# Allegro board R16_REF_DDR3_16X1_V1_0.brd
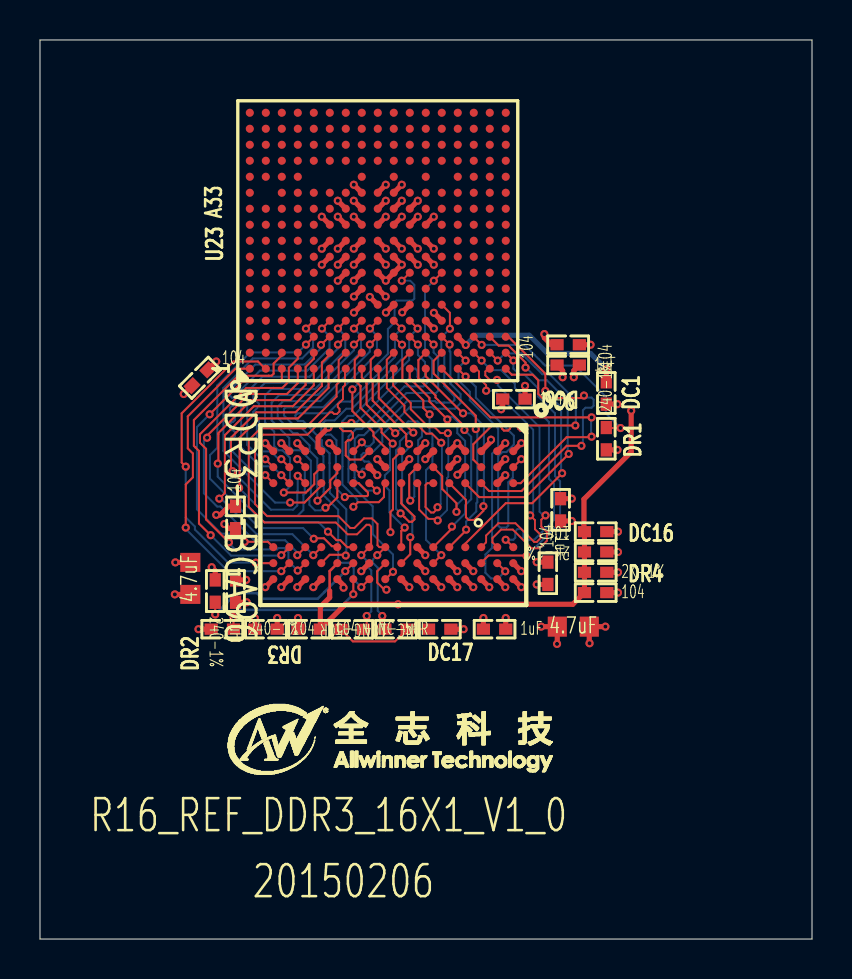
[diagram p0: board, top side]
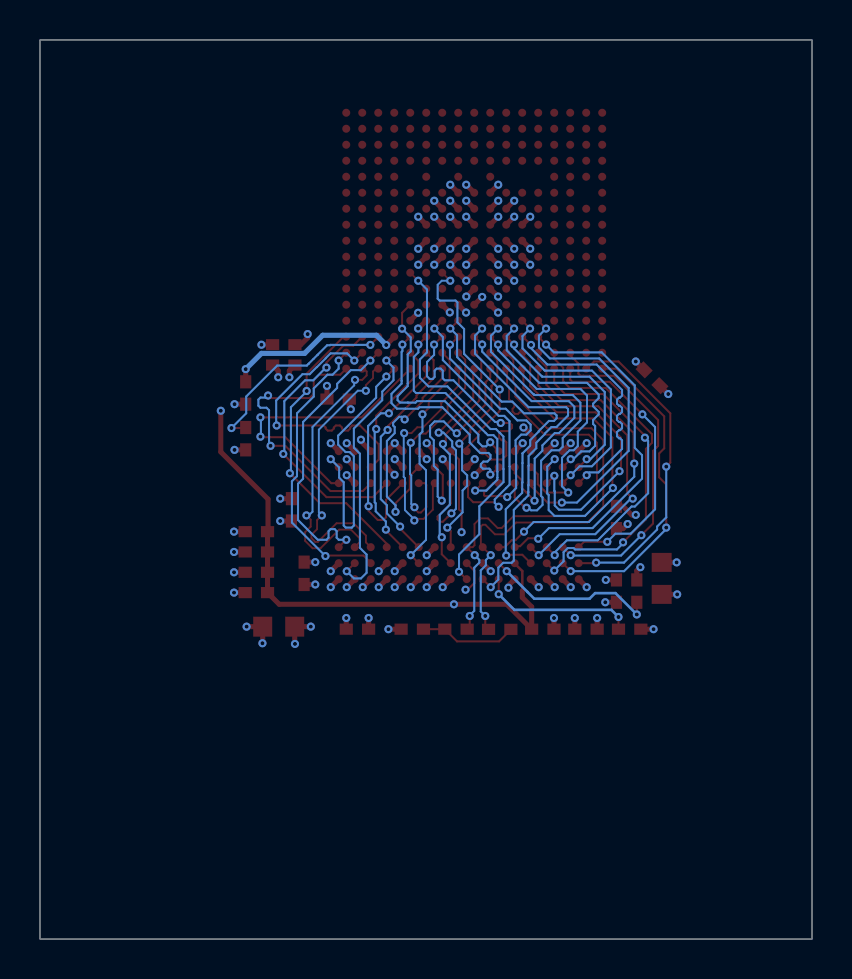
[diagram p1: board, bottom side, seen from below]

Outline 38.61 x 44.96 mm; copper layers: TOP, GND02, PWR03, BOTTOM. Coordinates in mm from the lower left corner of the outline.
Outline path: 0,44.96 0,0 38.61,0 38.61,44.96 0,44.96

## Design rules (mm)
net group CLS_DDR_CA: nets DRST DZQ
net group POWER: nets DVREF VDD-DLL
net group CLS_DQS0: nets DQS0N
net group CLS_DQS1: nets DQS1N
net group DDR_CA: nets DA0 DA1 DA2 DA3 DA4 DA5 DA6 DA7 DA8 DA9 DA10 DA11 DA12 DA13 DA14 DA15 DBA0 DBA1 DBA2 DCAS DCKE DCKE1 DCKN DCS DCS1 DODT DODT1 DRAS DWE
net group DDR_CKDQS: nets DCK DQS0 DQS1
net group DDR_DQ07: nets DQ0 DQ1 DQ2 DQ3 DQ4 DQ5 DQ6 DQ7 DQM0
net group DDR_DQ815: nets DQ8 DQ9 DQ10 DQ11 DQ12 DQ13 DQ14 DQ15 DQM1

## Placement (name value [footprint] x y rotation side)
DC1  104  [C0402]  28.32 27.3 90 top
DC2  104  [C0402]  26.42 29.72 180 top
DC3  4.7uF  [C0603]  7.52 18.03 90 top
DC4  1uF  [C0402]  26.03 21.46 270 top
DC5  1uF  [C0402]  26.42 28.7 0 top
DC6  104  [C0402]  23.7 27 0 top
DC7  104  [C0402]  8 28.07 45 top
DC8  104  [C0402]  13.46 15.49 0 top
DC9  104  [C0402]  27.79 17.32 0 top
DC10  4.7uF  [C0603]  26.67 15.62 0 top
DC11  1uF  [C0402]  22.73 15.49 0 top
DC12  1uF  [C0402]  9.78 17.4 270 top
DC13  104  [C0402]  9.78 21.08 90 top
DC14  104  [C0402]  11.3 15.49 0 top
DC15  104  [C0402]  25.4 18.29 90 top
DC16  104  [C0402]  27.79 20.37 180 top
DC17  NC-104  [C0402]  19.99 15.49 180 top
DR1  240-1%  [R0402]  28.32 25.02 90 top
DR2  240-1%  [R0402]  8.76 17.4 270 top
DR3  240-1%  [R0402]  9.12 15.49 0 top
DR4  2K-1%  [R0402]  27.79 18.34 0 top
DR5  2K-1%  [R0402]  27.79 19.35 180 top
DR6  NC-50R  [R0402]  17.81 15.49 180 top
DR7  NC-50R  [R0402]  15.62 15.49 0 top
DU1  DDR3-FBGA96  [FBGA96C80P9X13]  17.67 21.2 270 top
NOREF  -  []  6.6 20.07 0 top
NOREF#2  -  []  9.3 8.05 0 top
NOREF#3  -  []  28.83 14.86 90 top
U23  A33  [BGA282P0_80B14X14H1_30]  16.89 34.92 90 top

## Library data of the parts
DC1-DC8 DC17 = CAPACITOR_0
DC9 DC16 = CAPACITOR_0: room: RES_DVREF
DC10-DC12 = CAPACITOR_0: room: CAP
DC13-DC15 = CAP_0: room: CAP
DR1-DR3 DR6 DR7 = R
DR4 = ?_0: room: RES_DVREF
DR5 = ?_0: room: RES_DVREF; signal model: R0402
DU1 = DDR3_1: Tolerance: RichardLC
U23 = bga280_3

## Footprints (pads in the part's own frame, mm; a bottom-side part is the same pattern mirrored in y, then rotated)
BGA282P0_80B14X14H1_30
  round 0.4 smd: A1(-6.4,6.4) A2(-5.6,6.4) A3(-4.8,6.4) A4(-4,6.4) A5(-3.2,6.4) A6(-2.4,6.4) A7(-1.6,6.4) A8(-0.8,6.4) A9(0,6.4) A10(0.8,6.4) A11(1.6,6.4) A12(2.4,6.4) A13(3.2,6.4) A14(4,6.4) A15(4.8,6.4) A16(5.6,6.4) A17(6.4,6.4) B1(-6.4,5.6) B2(-5.6,5.6) B3(-4.8,5.6) B4(-4,5.6) B5(-3.2,5.6) B6(-2.4,5.6) B7(-1.6,5.6) B8(-0.8,5.6) B9(0,5.6) B10(0.8,5.6) B11(1.6,5.6) B13(3.2,5.6) B14(4,5.6) B15(4.8,5.6) B16(5.6,5.6) B17(6.4,5.6) C1(-6.4,4.8) C2(-5.6,4.8) C3(-4.8,4.8) C4(-4,4.8) C5(-3.2,4.8) C6(-2.4,4.8) C7(-1.6,4.8) C8(-0.8,4.8) C9(0,4.8) C10(0.8,4.8) C11(1.6,4.8) C12(2.4,4.8) C13(3.2,4.8) C14(4,4.8) C15(4.8,4.8) C16(5.6,4.8) C17(6.4,4.8) D1(-6.4,4) D2(-5.6,4) D3(-4.8,4) D4(-4,4) D5(-3.2,4) D6(-2.4,4) D7(-1.6,4) D8(-0.8,4) D9(0,4) D10(0.8,4) D11(1.6,4) D12(2.4,4) D13(3.2,4) D14(4,4) D15(4.8,4) D16(5.6,4) D17(6.4,4) E1(-6.4,3.2) E2(-5.6,3.2) E3(-4.8,3.2) E4(-4,3.2) E5(-3.2,3.2) E6(-2.4,3.2) E7(-1.6,3.2) E8(-0.8,3.2) E9(0,3.2) E10(0.8,3.2) E11(1.6,3.2) E12(2.4,3.2) E14(4,3.2) E15(4.8,3.2) E16(5.6,3.2) E17(6.4,3.2) F1(-6.4,2.4) F2(-5.6,2.4) F3(-4.8,2.4) F4(-4,2.4) F5(-3.2,2.4) F6(-2.4,2.4) F7(-1.6,2.4) F8(-0.8,2.4) F9(0,2.4) F10(0.8,2.4) F11(1.6,2.4) F12(2.4,2.4) F14(4,2.4) F15(4.8,2.4) F16(5.6,2.4) F17(6.4,2.4) G1(-6.4,1.6) G2(-5.6,1.6) G3(-4.8,1.6) G4(-4,1.6) G5(-3.2,1.6) G6(-2.4,1.6) G7(-1.6,1.6) G8(-0.8,1.6) G9(0,1.6) G10(0.8,1.6) G11(1.6,1.6) G12(2.4,1.6) G14(4,1.6) G15(4.8,1.6) G16(5.6,1.6) G17(6.4,1.6) H1(-6.4,0.8) H2(-5.6,0.8) H3(-4.8,0.8) H4(-4,0.8) H5(-3.2,0.8) H6(-2.4,0.8) H7(-1.6,0.8) H8(-0.8,0.8) H9(0,0.8) H10(0.8,0.8) H11(1.6,0.8) H12(2.4,0.8) H13(3.2,0.8) H14(4,0.8) H15(4.8,0.8) H16(5.6,0.8) H17(6.4,0.8) J1(-6.4,0) J2(-5.6,0) J3(-4.8,0) J4(-4,0) J5(-3.2,0) J6(-2.4,0) J7(-1.6,0) J8(-0.8,0) J9(0,0) J10(0.8,0) J11(1.6,0) J12(2.4,0) J14(4,0) J15(4.8,0) J16(5.6,0) J17(6.4,0) K1(-6.4,-0.8) K2(-5.6,-0.8) K3(-4.8,-0.8) K4(-4,-0.8) K5(-3.2,-0.8) K6(-2.4,-0.8) K7(-1.6,-0.8) K8(-0.8,-0.8) K9(0,-0.8) K10(0.8,-0.8) K11(1.6,-0.8) K12(2.4,-0.8) K13(3.2,-0.8) K14(4,-0.8) K15(4.8,-0.8) K16(5.6,-0.8) K17(6.4,-0.8) L1(-6.4,-1.6) L2(-5.6,-1.6) L3(-4.8,-1.6) L4(-4,-1.6) L5(-3.2,-1.6) L6(-2.4,-1.6) L7(-1.6,-1.6) L8(-0.8,-1.6) L9(0,-1.6) L10(0.8,-1.6) L11(1.6,-1.6) L12(2.4,-1.6) L14(4,-1.6) L15(4.8,-1.6) L16(5.6,-1.6) L17(6.4,-1.6) M1(-6.4,-2.4) M2(-5.6,-2.4) M3(-4.8,-2.4) M4(-4,-2.4) M5(-3.2,-2.4) M6(-2.4,-2.4) M7(-1.6,-2.4) M8(-0.8,-2.4) M9(0,-2.4) M10(0.8,-2.4) M11(1.6,-2.4) M12(2.4,-2.4) M13(3.2,-2.4) M14(4,-2.4) M15(4.8,-2.4) M16(5.6,-2.4) M17(6.4,-2.4) N1(-6.4,-3.2) N2(-5.6,-3.2) N3(-4.8,-3.2) N4(-4,-3.2) N5(-3.2,-3.2) N6(-2.4,-3.2) N7(-1.6,-3.2) N8(-0.8,-3.2) N9(0,-3.2) N10(0.8,-3.2) N11(1.6,-3.2) N12(2.4,-3.2) N14(4,-3.2) N15(4.8,-3.2) N16(5.6,-3.2) N17(6.4,-3.2) P1(-6.4,-4) P2(-5.6,-4) P3(-4.8,-4) P4(-4,-4) P5(-3.2,-4) P6(-2.4,-4) P7(-1.6,-4) P8(-0.8,-4) P9(0,-4) P10(0.8,-4) P11(1.6,-4) P12(2.4,-4) P13(3.2,-4) P14(4,-4) P15(4.8,-4) P16(5.6,-4) P17(6.4,-4) R1(-6.4,-4.8) R2(-5.6,-4.8) R3(-4.8,-4.8) R4(-4,-4.8) R5(-3.2,-4.8) R6(-2.4,-4.8) R7(-1.6,-4.8) R8(-0.8,-4.8) R9(0,-4.8) R10(0.8,-4.8) R11(1.6,-4.8) R12(2.4,-4.8) R13(3.2,-4.8) R14(4,-4.8) R15(4.8,-4.8) R16(5.6,-4.8) R17(6.4,-4.8) T1(-6.4,-5.6) T2(-5.6,-5.6) T3(-4.8,-5.6) T4(-4,-5.6) T5(-3.2,-5.6) T6(-2.4,-5.6) T7(-1.6,-5.6) T8(-0.8,-5.6) T9(0,-5.6) T10(0.8,-5.6) T11(1.6,-5.6) T12(2.4,-5.6) T13(3.2,-5.6) T14(4,-5.6) T15(4.8,-5.6) T16(5.6,-5.6) T17(6.4,-5.6) U1(-6.4,-6.4) U2(-5.6,-6.4) U3(-4.8,-6.4) U4(-4,-6.4) U5(-3.2,-6.4) U6(-2.4,-6.4) U7(-1.6,-6.4) U8(-0.8,-6.4) U9(0,-6.4) U10(0.8,-6.4) U11(1.6,-6.4) U12(2.4,-6.4) U13(3.2,-6.4) U14(4,-6.4) U15(4.8,-6.4) U16(5.6,-6.4) U17(6.4,-6.4)
C0402
  rect 0.66x0.559 smd: 1(-0.559,0) 2(0.559,0)
C0603
  rect 0.95x1 smd: 1(-0.8,0) 2(0.8,0)
FBGA96C80P9X13
  round 0.4 smd: A1(-3.2,6) A2(-2.4,6) A3(-1.6,6) A7(1.6,6) A8(2.4,6) A9(3.2,6) B1(-3.2,5.2) B2(-2.4,5.2) B3(-1.6,5.2) B7(1.6,5.2) B8(2.4,5.2) B9(3.2,5.2) C1(-3.2,4.4) C2(-2.4,4.4) C3(-1.6,4.4) C7(1.6,4.4) C8(2.4,4.4) C9(3.2,4.4) D1(-3.2,3.6) D2(-2.4,3.6) D3(-1.6,3.6) D7(1.6,3.6) D8(2.4,3.6) D9(3.2,3.6) E1(-3.2,2.8) E2(-2.4,2.8) E3(-1.6,2.8) E7(1.6,2.8) E8(2.4,2.8) E9(3.2,2.8) F1(-3.2,2) F2(-2.4,2) F3(-1.6,2) F7(1.6,2) F8(2.4,2) F9(3.2,2) G1(-3.2,1.2) G2(-2.4,1.2) G3(-1.6,1.2) G7(1.6,1.2) G8(2.4,1.2) G9(3.2,1.2) H1(-3.2,0.4) H2(-2.4,0.4) H3(-1.6,0.4) H7(1.6,0.4) H8(2.4,0.4) H9(3.2,0.4) J1(-3.2,-0.4) J2(-2.4,-0.4) J3(-1.6,-0.4) J7(1.6,-0.4) J8(2.4,-0.4) J9(3.2,-0.4) K1(-3.2,-1.2) K2(-2.4,-1.2) K3(-1.6,-1.2) K7(1.6,-1.2) K8(2.4,-1.2) K9(3.2,-1.2) L1(-3.2,-2) L2(-2.4,-2) L3(-1.6,-2) L7(1.6,-2) L8(2.4,-2) L9(3.2,-2) M1(-3.2,-2.8) M2(-2.4,-2.8) M3(-1.6,-2.8) M7(1.6,-2.8) M8(2.4,-2.8) M9(3.2,-2.8) N1(-3.2,-3.6) N2(-2.4,-3.6) N3(-1.6,-3.6) N7(1.6,-3.6) N8(2.4,-3.6) N9(3.2,-3.6) P1(-3.2,-4.4) P2(-2.4,-4.4) P3(-1.6,-4.4) P7(1.6,-4.4) P8(2.4,-4.4) P9(3.2,-4.4) R1(-3.2,-5.2) R2(-2.4,-5.2) R3(-1.6,-5.2) R7(1.6,-5.2) R8(2.4,-5.2) R9(3.2,-5.2) T1(-3.2,-6) T2(-2.4,-6) T3(-1.6,-6) T7(1.6,-6) T8(2.4,-6) T9(3.2,-6)
R0402
  rect 0.66x0.559 smd: 1(-0.559,0) 2(0.559,0)

## Nets
GND: DC1.1 DC2.1 DC3.1 DC4.1 DC5.1 DC6.1 DC7.1 DC8.1 DC10.1 DC11.1 DC12.1 DC13.2 DC14.2 DC15.2 DC16.1 DC17.1 DR1.1 DR2.1 DR3.1 DR5.1 DU1.A9(VSS#9) DU1.B1(VSSQ#1) DU1.B3(VSS#6) DU1.B9(VSSQ#7) DU1.D1(VSSQ#2) DU1.D8(VSSQ#5) DU1.E1(VSS#1) DU1.E2(VSSQ#4) DU1.E8(VSSQ#6) DU1.F9(VSSQ#8) DU1.G1(VSSQ#3) DU1.G8(VSS#7) DU1.G9(VSSQ#9) DU1.J2(VSS#5) DU1.J8(VSS#8) DU1.M1(VSS#2) DU1.M9(VSS#10) DU1.P1(VSS#3) DU1.P9(VSS#11) DU1.T1(VSS#4) DU1.T9(VSS#12) U23.F8(GND-34) U23.F9(GND-33) U23.F10(GND-32) U23.G7(GND-31) U23.G8(GND-30) U23.G9(GND-29) U23.G10(GND-28) U23.G11(GND-27) U23.H7(GND-26) U23.H8(GND-25) U23.H9(GND-24) U23.H10(GND-23) U23.H11(GND-22) U23.H12(GND-21) U23.J7(GND-20) U23.J8(GND-19) U23.J9(GND-18) U23.J10(GND-17) U23.J11(GND-16) U23.J12(GND-15) U23.K7(GND-14) U23.K8(GND-13) U23.K9(GND-12) U23.K10(GND-11) U23.K11(GND-10) U23.K12(GND-9) U23.L8(GND-7) U23.L9(GND-6) U23.L10(GND-5) U23.L11(GND-4) U23.M8(VCC-EFUSE) U23.M9(GND-2) U23.M10(GND-1) U23.N4(GND-8)
VCC-DRAM: DC3.2 DC4.2 DC5.2 DC6.2 DC7.2 DC9.2 DC10.2 DC11.2 DC12.2 DC13.1 DC14.1 DC15.1 DR4.2 DU1.A1(VDDQ#1) DU1.A8(VDDQ#6) DU1.B2(VDD#3) DU1.C1(VDDQ#2) DU1.C9(VDDQ#9) DU1.D2(VDDQ#4) DU1.D9(VDD#7) DU1.E9(VDDQ#8) DU1.F1(VDDQ#3) DU1.G7(VDD#5) DU1.H2(VDDQ#5) DU1.H9(VDDQ#7) DU1.K2(VDD#4) DU1.K8(VDD#6) DU1.N1(VDD#1) DU1.N9(VDD#8) DU1.R1(VDD#2) DU1.R9(VDD#9) U23.H5(VCC-DRAM-6) U23.H6(VCC-DRAM-5) U23.J5(VCC-DRAM-4) U23.J6(VCC-DRAM-3) U23.K5(VCC-DRAM-2) U23.L5(VCC-DRAM-1)
VDD-DLL: DC1.2 U23.P3(VDD-DLL)
DA0: DU1.N3(A0) U23.E4(DA0)
DA1: DU1.P7(A1) U23.D1(DA1)
DA2: DU1.P3(A2) U23.F2(DA2)
DA3: DU1.N2(A3) U23.H3(DA3)
DA4: DU1.P8(A4) U23.D2(DA4)
DA5: DU1.P2(A5) U23.F1(DA5)
DA6: DU1.R8(A6) U23.A1(DA6)
DA7: DU1.R2(A7) U23.G4(DA7)
DA8: DU1.T8(A8) U23.B1(DA8)
DA9: DU1.R3(A9) U23.F4(DA9)
DA10: DU1.L7(A10) U23.E2(DA10)
DA11: DU1.R7(A11) U23.C2(DA11)
DA12: DU1.N7(A12) U23.E1(DA12)
DA13: DU1.T3(A13) U23.F3(DA13)
DA14: DU1.T7(A14) U23.C1(DA14)
DA15: DU1.M7(A15) U23.E3(DA15)
DBA0: DU1.M2(BA0) U23.J3(DBA0)
DBA1: DU1.N8(BA1) U23.K4(DBA1)
DBA2: DU1.M3(BA2) U23.H4(DBA2)
DCAS: DU1.K3(CAS#) U23.M3(DCAS)
DCK: DR6.2 DU1.J7(CK) U23.G1(DCK)
DCKE: DU1.K9(CKE) U23.J4(DCKE)
DCKE1: DU1.J9(CKE1) U23.N7(DCKE1)
DCKN: DR7.2 DU1.K7(CK#) U23.G2(DCK#)
DCS: DU1.L2(CS#) U23.N3(DCS)
DCS1: DU1.L1(CS1#) U23.N5(DCS1)
DODT: DU1.K1(ODT) U23.L3(DODT)
DODT1: DU1.J1(ODT1) U23.L7(DODT1)
DQ0: DU1.E3(DQL0) U23.M1(DQ0)
DQ1: DU1.F7(DQL1) U23.M2(DQ1)
DQ2: DU1.F2(DQL2) U23.L1(DQ2)
DQ3: DU1.F8(DQL3) U23.L2(DQ3)
DQ4: DU1.H3(DQL4) U23.J1(DQ4)
DQ5: DU1.H8(DQL5) U23.J2(DQ5)
DQ6: DU1.G2(DQL6) U23.H1(DQ6)
DQ7: DU1.H7(DQL7) U23.H2(DQ7)
DQ8: DU1.D7(DQU0) U23.U3(DQ8)
DQ9: DU1.C3(DQU1) U23.U1(DQ9)
DQ10: DU1.C8(DQU2) U23.U2(DQ10)
DQ11: DU1.C2(DQU3) U23.T2(DQ11)
DQ12: DU1.A7(DQU4) U23.R2(DQ12)
DQ13: DU1.A2(DQU5) U23.P1(DQ13)
DQ14: DU1.B8(DQU6) U23.P2(DQ14)
DQ15: DU1.A3(DQU7) U23.N1(DQ15)
DQM0: DU1.E7(DML) U23.N2(DQM0)
DQM1: DU1.D3(DMU) U23.T3(DQM1)
DQS0: DU1.F3(DQSL) U23.K2(DQS0)
DQS0N: DU1.G3(DQSL#) U23.K1(DQS0#)
DQS1: DU1.C7(DQSU) U23.R1(DQS1)
DQS1N: DU1.B7(DQSU#) U23.T1(DQS1#)
DRAS: DU1.J3(RAS#) U23.L4(DRAS)
DRST: DU1.T2(RESET) U23.G3(DRST)
DVREF: DC2.2 DC8.2 DC9.1 DC16.2 DR4.1 DR5.2 DU1.H1(VREFDQ) DU1.M8(VREFCA) U23.M4(DVREF)
DWE: DU1.L3(WE) U23.K3(DWE)
DZQ: DR1.2 U23.R3(DZQ)
N17523254: DR2.2 DU1.L8(ZQ)
N18069975: DR3.2 DU1.L9(ZQ1)
N18151313: DC17.2 DR6.1 DR7.1

Pads without a net: U23 A2 A3 A4 A5 A6 A7 A8 A9 A10 A11 A12 A13 A14 A15 A16 A17 B2 B3 B4 B5 B6 B7 B8 B9 B10 B11 B13 B14 B15 B16 B17 C3 C4 C5 C6 C7 C8 C9 C10 C11 C12 C13 C14 C15 C16 C17 D3 D4 D5 D6 D7 D8 D9 D10 D11 D12 D13 D14 D15 D16 D17 E5 E6 E7 E8 E9 E10 E11 E12 E14 E15 E16 E17 F5 F6 F7 F11 F12 F14 F15 F16 F17 G5 G6 G12 G14 G15 G16 G17 H13 H14 H15 H16 H17 J14 J15 J16 J17 K6 K13 K14 K15 K16 K17 L6 L12 L14 L15 L16 L17 M5 M6 M7 M11 M12 M13 M14 M15 M16 M17 N6 N8 N9 N10 N11 N12 N14 N15 N16 N17 P4 P5 P6 P7 P8 P9 P10 P11 P12 P13 P14 P15 P16 P17 R4 R5 R6 R7 R8 R9 R10 R11 R12 R13 R14 R15 R16 R17 T4 T5 T6 T7 T8 T9 T10 T11 T12 T13 T14 T15 T16 T17 U4 U5 U6 U7 U8 U9 U10 U11 U12 U13 U14 U15 U16 U17

## Via types
v1: diameter 0.406, hole 0.203, TOP to BOTTOM, 231 vias

## Routing (per net, layer and track width the routed paths; a pad name or vN(x,y) marks a point on that pad's centre or on a via; arc(x,y) is an arc through that point)
GND: length 46.5
  TOP w0.102: v1(17.33,17.47) 17.22,17.47 16.86,17.83 16.86,18.39 DU1.J8
  TOP w0.254: DU1.P1 v1(12.87,24.8) ; v1(8.81,21.21) 9.02,21.21 9.45,21.64 DC13.2 ; DU1.E1 v1(20.87,24.8) DU1.D1 ; DU1.G1 v1(19.27,24.8) ; DC11.1 v1(22.17,16.05) ; U23.F10 v1(14.09,36.12) ; DU1.M9 15.18,17.68 v1(15.18,17.57) ; DU1.G9 v1(19.27,17.6) ; U23.J9 v1(17.29,34.52) ; v1(25.86,14.76) 25.87,14.77 DC10.1 v1(25.06,15.62) ; U23.J7 v1(17.29,32.92) U23.K7 v1(18.09,33.72) U23.K8 ; U23.M8 v1(19.69,33.72) ; DU1.G8 v1(19.27,18.4) ; v1(8.59,18.59) 8.76,18.41 DR2.1 ; U23.G9 v1(14.89,34.52) ; DC15.2 v1(24.84,18.85) ; DC1.1 v1(28.88,26.75) ; U23.J8 v1(17.29,33.72) ; DU1.B3 v1(23.27,23.2) ; U23.H8 v1(15.69,33.72) ; DC14.2 v1(11.86,16.05) ; U23.L10 v1(18.89,36.12) ; DU1.D8 v1(21.67,18.4) ; DC16.1 v1(28.91,20.37) ; DR3.1 v1(7.92,15.49) ; U23.J12 v1(17.29,37.72) ; U23.K10 v1(18.09,36.12) ; DC7.1 v1(7.19,27.25) ; U23.L9 v1(18.89,34.52) ; DR5.1 v1(28.91,19.35) ; U23.K11 v1(18.09,36.92) ; DR1.1 v1(28.88,24.46) ; DU1.B9 v1(23.27,17.6) ; U23.N4 20.09,30.92 v1(19.7,31.32) ; DU1.T9 v1(11.27,17.6) ; DU1.E8 v1(20.87,18.4) ; DU1.A9 v1(24.07,17.6) ; U23.G10 v1(14.89,36.12) ; U23.L11 v1(18.89,36.92) ; DU1.B1 v1(23.27,24.8) ; U23.M10 v1(19.69,36.12) ; U23.K9 v1(18.09,34.52) ; DC5.1 26.14,28.42 v1(26.14,28.09) ; DU1.T1 v1(11.27,24.8) ; U23.G8 v1(14.89,33.72) ; DC17.1 v1(21.18,15.49) ; U23.F9 v1(14.09,34.52) ; U23.K12 v1(18.09,37.72) ; U23.J11 v1(17.29,36.92) ; DU1.J2 v1(16.87,24) ; U23.H9 v1(15.69,34.52) ; DU1.E2 v1(20.87,24) ; U23.H7 v1(15.69,32.92) ; U23.H11 v1(15.69,36.92) ; DC4.1 v1(26.59,22.02) ; DC2.1 v1(27.53,29.72) ; DC12.1 v1(10.31,17.96) ; DU1.P9 v1(12.87,17.6) ; DC8.1 v1(12.9,16.05) ; DC6.1 23.14,26.57 v1(23.06,26.49) ; U23.G7 v1(14.89,32.92) ; U23.M9 v1(19.69,34.52) ; U23.F8 v1(14.09,33.72) ; U23.J10 v1(17.29,36.12) ; U23.G11 v1(14.89,36.92) ; DC3.1 v1(6.74,17.23) ; U23.L8 v1(18.89,33.72) ; U23.H10 v1(15.69,36.12) ; DU1.F9 v1(20.07,17.6) ; U23.H12 v1(15.69,37.72) ; DU1.M1 v1(14.47,24.8)
  GND02 w0.102: 23.88,20.5 23.82,20.5 23.78,20.54
VCC-DRAM: length 24
  TOP w0.254: v1(18.11,31.34) 18.49,31.71 U23.L5 ; DU1.D9 v1(21.67,17.6) ; v1(27.48,14.79) 27.48,14.81 27.47,14.82 DC10.2 v1(28.28,15.62) ; DR4.2 v1(28.91,18.34) ; DC5.2 26.7,28.42 v1(26.7,28.09) ; DC12.2 v1(10.34,16.84) ; DC13.1 9.45,20.52 v1(9.22,20.75) ; DU1.B2 v1(23.27,24) ; v1(16.49,32.11) 16.5,32.11 16.88,31.72 U23.J5 ; DC15.1 v1(24.84,17.73) ; DC3.2 v1(6.77,18.83) ; DU1.R9 v1(12.07,17.6) ; v1(20.88,23.22) 20.89,23.22 DU1.D2 ; DU1.N9 v1(13.67,17.6) ; v1(15.7,32.13) U23.H6 ; DU1.F1 v1(19.27,24) ; U23.J6 17.28,32.13 v1(17.29,32.13) ; DC6.2 v1(24.26,27.66) ; DU1.H9 v1(18.47,17.6) ; v1(14.43,25.58) 14.41,25.58 13.91,25.08 13.91,24.56 14.07,24.41 DU1.N1 ; DU1.C1 22.56,24.88 v1(22.56,24.97) ; DU1.H2 v1(18.47,24) ; DC9.2 v1(28.91,17.32) ; DU1.A8 v1(24.07,18.4) ; DU1.E9 v1(20.87,17.6) ; U23.H5 v1(15.7,31.33) ; DU1.C9 v1(22.47,17.6) ; DC14.1 v1(10.74,16.05) ; DU1.G7 v1(19.27,19.2) ; DU1.K8 v1(16.07,18.4) ; DC11.2 v1(23.29,16.05) ; U23.K5 v1(17.3,31.33) ; DC7.2 v1(8.81,28.88) ; DU1.A1 v1(24.07,24.8) ; DU1.K2 v1(16.87,23.2) ; DU1.R1 v1(12.07,24.8) ; DC4.2 v1(26.59,20.9)
  PWR03 w0.254: v1(18.47,17.6) 18.47,17.6 18.82,17.25
VDD-DLL: length 9.7
  TOP w0.102: v1(21.29,29.71) 21.29,29.72 U23.P3
  TOP w0.254: v1(28.32,28.5) DC1.2 ; v1(21.29,29.71) 20.89,30.11 U23.P3
  BOTTOM w0.254: v1(21.29,29.71) 21.78,30.19 24.47,30.19 25.37,29.29 27.53,29.29 v1(28.32,28.5)
DA0: length 16.6
  TOP w0.102: DU1.N3 14.07,22.67 13.23,21.83 v1(12.51,21.83) ; U23.E4 v1(13.3,30.53)
  BOTTOM w0.102: v1(13.3,30.53) 13.66,30.17 13.66,29.58 13.11,29.03 10.64,29.03 9.17,27.56 9.17,24.41 11.75,21.83 v1(12.51,21.83)
DA1: length 15.9
  TOP w0.102: v1(8.36,25.07) 8.36,25.17 10.44,27.25 11.82,27.25 11.82,27.25 12.34,27.25 12.89,27.8 U23.D1 ; DU1.P7 v1(12.87,19.2)
  BOTTOM w0.102: v1(12.87,19.2) 12.87,19.33 12.26,19.94 10.71,19.94 9.02,21.63 8.86,21.63 8.2,22.29 8.2,24.91 v1(8.36,25.07)
DA2: length 15.3
  TOP w0.102: v1(9.63,23.39) 9.55,23.47 9.55,25.07 10.82,26.34 12.2,26.34 12.2,26.34 12.78,26.34 14.1,27.66 14.1,28.83 14.49,29.22 U23.F2 ; v1(12.89,23.16) 13.25,22.8 DU1.P3
  BOTTOM w0.102: v1(9.63,23.39) 11.55,21.47 12.66,21.47 12.87,21.68 12.87,22.39 12.89,22.41 v1(12.89,23.16)
DA3: length 14.5
  TOP w0.102: U23.H3 v1(15.7,29.73) ; DU1.N2 13.72,23.24 13.72,22.74 13.41,22.44 13.3,22.33 v1(12.19,22.33)
  BOTTOM w0.102: v1(12.19,22.33) 12.5,22.64 12.5,24.06 12.13,24.44 11.92,24.44 11.71,24.65 11.71,25.37 11.25,25.83 11.25,27.18 11.58,27.51 13.77,27.51 15.7,29.44 v1(15.7,29.73)
DA4: length 18.1
  TOP w0.102: v1(12.89,18.43) 12.9,18.44 12.91,18.44 DU1.P8 ; v1(9.45,19.84) 8.31,20.98 8.31,24.51 8,24.82 8,25.24 10.31,27.56 11.69,27.56 11.69,27.56 12.12,27.56 12.44,27.89 12.44,28.57 12.89,29.02 U23.D2
  BOTTOM w0.102: v1(9.45,19.84) 9.45,19.79 9.75,19.48 11.85,19.48 11.92,19.55 12.22,19.55 12.42,19.34 12.42,18.89 v1(12.89,18.43)
DA5: length 16.2
  TOP w0.102: U23.F1 14.43,28.46 14.43,27.56 12.9,26.03 10.95,26.03 9.98,25.07 9.98,22.58 v1(9.96,22.56) ; DU1.P2 v1(12.87,24)
  BOTTOM w0.102: v1(12.87,24) 13.24,23.62 13.24,22.28 13.17,22.21 13.17,21.45 12.88,21.16 11.35,21.16 v1(9.96,22.56)
DA6: length 16.2
  TOP w0.102: DU1.R8 v1(12.07,18.4) ; U23.A1 9.77,28.52 7.39,26.14 7.39,24.54 7.65,24.28 7.65,23.09 7.29,22.73 v1(7.29,20.57)
  BOTTOM w0.102: v1(7.29,20.57) 7.29,20.5 9.4,18.4 v1(12.07,18.4)
DA7: length 12.3
  TOP w0.102: U23.G4 v1(14.9,30.53) ; DU1.R2 v1(12.07,24)
  BOTTOM w0.102: v1(14.9,30.53) 15.27,30.16 15.27,29.44 13.64,27.81 11.25,27.81 10.67,27.23 10.67,27.05 10.95,26.77 10.95,26.64 10.67,26.36 10.67,26.24 10.95,25.96 10.95,25.75 10.85,25.65 10.85,24.66 11.13,24.38 11.55,24.38 11.93,24 v1(12.07,24)
DA8: length 16.2
  TOP w0.102: v1(7.29,23.62) 7.09,23.83 7.09,26.29 9.68,28.88 10.9,28.88 11.29,28.49 U23.B1 ; DU1.T8 10.82,18.8 v1(10.8,18.82)
  BOTTOM w0.102: v1(10.8,18.82) 9.4,18.82 7.75,20.48 7.75,20.62 7.29,21.08 v1(7.29,23.62)
DA9: length 13
  TOP w0.102: U23.F4 v1(14.1,30.53) ; DU1.R3 v1(12.07,23.2)
  BOTTOM w0.102: v1(12.07,23.2) 11.62,23.64 11.01,23.64 10.06,24.59 10.06,27.48 11,28.42 13.36,28.42 13.39,28.45 14.48,29.54 14.48,30.15 v1(14.1,30.53)
DA10: length 17.6
  TOP w0.102: v1(8.89,23.77) 8.92,23.81 8.92,25.3 10.57,26.95 11.94,26.95 12.52,26.95 13.28,27.71 13.28,28.61 13.69,29.02 U23.E2 ; v1(14.4,20.37) 14.82,19.95 15.01,19.95 15.37,19.6 DU1.L7
  BOTTOM w0.102: v1(8.89,23.77) 8.89,23.12 11.16,20.85 13.92,20.85 v1(14.4,20.37)
DA11: length 16.8
  TOP w0.102: v1(8.53,20.19) 7.95,20.78 7.95,24.41 7.7,24.66 7.7,25.95 9.91,28.17 11.44,28.17 11.44,28.17 11.58,28.17 11.68,28.27 11.68,28.78 12.09,29.19 U23.C2 ; DU1.R7 v1(12.07,19.2)
  BOTTOM w0.102: v1(8.53,20.19) 9.55,19.18 11.98,19.18 12,19.2 v1(12.07,19.2)
DA12: length 16
  TOP w0.102: U23.E1 13.69,27.69 12.65,26.64 12.07,26.64 12.07,26.64 10.69,26.64 9.25,25.2 9.25,22.3 v1(8.97,22.02) ; DU1.N7 v1(13.67,19.2)
  BOTTOM w0.102: v1(8.97,22.02) 9.06,22.02 10.84,20.24 12.62,20.24 v1(13.67,19.2)
DA13: length 12.8
  TOP w0.102: U23.F3 14.46,30.12 v1(14.05,29.71) ; DU1.T3 v1(11.27,23.2)
  BOTTOM w0.102: v1(11.27,23.2) 11.13,23.34 10.68,23.34 9.5,24.51 9.5,24.94 9.6,25.04 9.65,25.04 9.75,25.14 9.75,25.35 9.65,25.45 9.6,25.45 9.5,25.55 9.5,25.75 9.6,25.85 9.65,25.85 9.75,25.96 9.75,26.16 9.65,26.26 9.6,26.26 9.5,26.36 9.5,26.56 9.6,26.67 9.65,26.67 9.75,26.77 9.75,26.97 9.65,27.07 9.6,27.07 9.5,27.17 9.5,27.46 10.77,28.73 13.23,28.73 13.26,28.75 14.05,29.54 v1(14.05,29.71)
DA14: length 14.5
  TOP w0.102: U23.C1 12.09,27.97 11.99,27.86 11.57,27.86 11.56,27.86 10.11,27.86 v1(8.48,26.24) ; DU1.T7 11.4,19.86 v1(10.24,19.86)
  BOTTOM w0.102: v1(10.24,19.86) 9.83,20.27 9.07,20.27 7.85,21.49 7.85,25.6 v1(8.48,26.24)
DA15: length 18.5
  TOP w0.102: v1(13.69,20.02) 13.72,20.04 14.2,20.04 14.6,19.64 14.82,19.64 DU1.M7 ; U23.E3 v1(13.3,29.73)
  BOTTOM w0.102: v1(13.3,29.73) 12.91,29.34 10.52,29.34 8.86,27.69 8.86,24.56 8.5,24.2 8.5,23.02 10.97,20.55 13.16,20.55 v1(13.69,20.02)
DBA0: length 14.4
  TOP w0.102: DU1.M2 14.87,23.29 14.52,22.94 14.52,22.56 14.3,22.35 14.3,22.34 v1(13.88,21.92) ; U23.J3 16.88,30.12 v1(16.5,29.73)
  BOTTOM w0.102: v1(16.5,29.73) 16.5,29.37 14.02,26.9 12.17,26.9 11.89,26.62 11.89,26.06 12.65,25.3 12.87,25.3 13.48,24.68 13.48,24.42 13.87,24.03 13.87,21.93 v1(13.88,21.92)
DBA1: length 17.9
  TOP w0.102: v1(15.29,19.18) 15.25,19.21 14.49,19.21 DU1.N8 ; v1(18.09,30.53) U23.K4
  BOTTOM w0.102: v1(15.29,19.18) 15.32,19.2 15.32,21.49 14.49,22.31 14.49,22.49 14.49,22.82 14.48,22.83 14.48,23.8 14.48,23.8 14.48,24.28 14.09,24.67 14.09,24.95 13.67,25.38 13.67,25.4 13.16,25.91 12.9,25.91 12.77,26.04 12.77,26.18 12.88,26.29 14.4,26.29 14.99,26.87 15.52,26.87 17.75,29.1 17.75,30.19 v1(18.09,30.53)
DBA2: length 16.1
  TOP w0.102: v1(14.28,21.57) 14.33,21.62 14.4,21.62 14.55,21.77 14.55,21.77 14.87,22.08 DU1.M3 ; U23.H4 v1(15.7,30.53)
  BOTTOM w0.102: v1(14.28,21.57) 14.18,21.57 14.05,21.44 13.75,21.44 13.47,21.71 13.47,22.08 13.55,22.15 13.55,23.92 13.03,24.44 12.64,24.44 12.47,24.62 12.47,25.05 11.58,25.94 11.58,26.82 11.96,27.2 13.87,27.2 13.89,27.23 13.92,27.23 16.06,29.37 16.06,30.17 v1(15.7,30.53)
DCAS: length 12
  TOP w0.102: v1(16.85,22.42) 16.84,22.42 DU1.K3 ; U23.M3 v1(19.69,29.73)
  BOTTOM w0.102: v1(16.85,22.42) 16.29,22.42 15.74,22.97 15.74,23.07 15.73,23.08 15.73,23.37 15.74,23.38 15.74,25 15.93,25.2 16.21,25.2 16.31,25.3 18.33,27.3 19.81,27.3 19.91,27.41 19.91,29.11 19.69,29.34 v1(19.69,29.73)
DCK: length 23.4
  TOP w0.094: v1(16.87,19.2) DU1.J7 16.97,19.6 16.88,19.69 16.88,20.75 16.6,21.03 16.2,21.03 15.72,20.56 15.52,20.56 14.93,21.15 11.36,21.15 10.76,21.75 10.76,24.82 11.16,25.22 13.38,25.22 14.49,26.34 14.63,26.34 14.7,26.26 14.86,26.26 14.98,26.38 14.98,26.51 14.89,26.6 14.89,26.74 15.15,27 15.15,27.6 15.25,27.7 15.25,28.48 U23.G1
  TOP w0.102: DR6.2 17.12,15.62 v1(17.12,16.15)
  BOTTOM w0.102: v1(17.12,16.15) 17.12,16.18 16.89,16.41 16.89,18.57 16.64,18.82 16.64,18.96 v1(16.87,19.2)
DCKE: length 19.2
  TOP w0.102: U23.J4 v1(16.5,30.53) ; DU1.K9 v1(16.07,17.6)
  BOTTOM w0.102: v1(16.07,17.6) 15.69,17.98 15.69,18.57 15.44,18.81 15.02,18.81 14.91,18.92 14.91,21.46 14.37,22.01 14.19,22.18 14.19,22.37 14.19,22.69 14.18,22.7 14.18,23.67 14.17,23.67 14.17,24.16 13.79,24.54 13.79,24.82 13.36,25.25 13.36,25.27 13.03,25.6 12.78,25.6 12.2,26.18 12.2,26.5 12.29,26.59 14.17,26.59 16.85,29.27 16.85,30.18 v1(16.5,30.53)
DCKE1: length 19.4
  TOP w0.094: U23.N7 v1(19.69,32.92)
  TOP w0.102: DU1.J9 17.28,18 v1(17.65,18.36)
  BOTTOM w0.102: v1(19.69,32.92) 19.25,32.48 19.25,29.34 19.61,28.98 19.61,28.07 19.18,27.64 18.23,27.64 16.08,25.5 15.8,25.5 15.61,25.31 15.43,25.13 15.43,23.51 15.43,23.5 15.43,22.85 16.64,21.64 16.64,20.24 17.65,19.23 v1(17.65,18.36)
DCKN: length 23.6
  TOP w0.094: U23.G2 14.94,28.96 14.94,27.83 14.83,27.73 14.83,27.13 13.25,25.54 11.03,25.54 10.44,24.95 10.44,21.62 11.23,20.83 14.8,20.83 15.39,20.24 15.86,20.24 16.33,20.72 16.47,20.72 16.56,20.62 16.56,19.69 DU1.K7 v1(16.07,19.2)
  TOP w0.102: DR7.2 16.34,15.65 v1(16.34,16.15)
  BOTTOM w0.102: v1(16.07,19.2) 16.31,18.95 16.31,18.69 16.57,18.43 16.57,16.38 v1(16.34,16.15)
DCS: length 12.3
  TOP w0.102: v1(16.09,23.23) 16.04,23.23 DU1.L2 ; U23.N3 v1(20.49,29.73)
  BOTTOM w0.102: v1(20.49,29.73) 20.49,29.4 20.52,29.36 20.52,27.91 20.52,27.77 21.03,27.26 21.03,26.8 20.76,26.52 20.33,26.52 20.33,26.52 19.7,26.52 19.63,26.59 18.49,26.59 17.12,25.22 17.12,24.83 16.6,24.31 16.18,24.31 16.08,24.21 16.08,24.03 16.23,23.88 16.43,23.88 16.56,23.75 16.56,23.62 16.46,23.52 16.14,23.52 16.09,23.47 v1(16.09,23.23)
DCS1: length 12
  TOP w0.102: v1(20.5,30.52) 20.5,31.31 U23.N5 ; DU1.L1 16.08,24.81 16.08,24.83 v1(16.09,24.84)
  BOTTOM w0.102: v1(16.09,24.84) 16.3,24.64 16.48,24.64 16.69,24.84 16.69,25.22 18.36,26.9 19.75,26.9 19.83,26.82 20.2,26.82 20.21,26.83 20.6,26.83 20.73,26.95 20.73,27.14 20.22,27.65 20.22,27.79 20.22,29.23 20.07,29.39 20.07,30.09 v1(20.5,30.52)
DODT: length 12.1
  TOP w0.102: U23.L3 18.51,30.12 v1(18.9,29.73) ; v1(15.57,25.81) 15.1,25.81 15,25.7 15,25.56 15.16,25.4 15.54,25.4 15.65,25.3 15.65,25.07 15.52,24.94 15.39,24.94 15.29,24.84 15.29,24.18 15.49,23.98 16.05,23.98 DU1.K1
  BOTTOM w0.102: v1(15.57,25.81) 15.62,25.86 15.85,25.86 17.93,27.94 18.36,27.94 18.47,28.04 18.47,28.42 18.57,28.52 18.77,28.52 18.87,28.42 18.87,28.11 18.97,28.01 19.12,28.01 19.25,28.14 19.25,28.85 18.9,29.21 v1(18.9,29.73)
DODT1: length 12
  TOP w0.094: U23.L7 v1(18.09,32.92)
  TOP w0.102: DU1.J1 17.27,24.57 16.68,25.16 16.68,25.34 15.62,26.4 v1(15.62,27.48)
  BOTTOM w0.094: 18.72,32.72 18.52,32.92 v1(18.09,32.92)
  BOTTOM w0.102: 18.72,32.72 18.72,32.02 18.63,31.93 17.83,31.93 17.73,31.83 17.73,30.84 17.4,30.51 17.4,29.26 v1(15.62,27.48)
DQ0: length 11.7
  TOP w0.102: DU1.E3 21.3,21.96 21.3,21.09 21.44,20.95 21.72,20.95 22.17,21.41 v1(22.17,21.64) ; v1(21.16,26.29) 21.15,26.29 19.29,28.14 U23.M1
  BOTTOM w0.102: v1(21.16,26.29) 21.56,26.29 22.2,25.65 22.2,21.67 v1(22.17,21.64)
DQ1: length 11.8
  TOP w0.102: v1(20.6,20.62) 20.6,20.53 DU1.F7 ; v1(21.22,25.46) 21.22,25.63 19.78,27.08 19.78,27.18 18.92,28.04 18.92,28.95 U23.M2
  BOTTOM w0.102: v1(20.6,20.62) 21.26,21.29 21.26,21.69 21.56,22 21.56,25.12 v1(21.22,25.46)
DQ2: length 11.6
  TOP w0.102: U23.L1 18.49,28.04 19.47,27.06 19.47,26.88 v1(20.37,25.98) ; v1(20.83,21.36) 20.83,21.79 20.11,22.51 20.11,23.15 DU1.F2
  BOTTOM w0.102: v1(20.83,21.36) 20.83,21.69 21.26,22.12 21.26,24.91 20.87,25.3 20.87,25.6 20.95,25.68 20.95,25.81 20.65,26.12 20.5,26.12 v1(20.37,25.98)
DQ3: length 11.9
  TOP w0.102: DU1.F8 v1(20.07,19.2) ; U23.L2 18.12,28.95 18.12,27.98 19.17,26.93 19.17,26.55 v1(19.48,26.24)
  BOTTOM w0.102: v1(20.07,19.2) 19.3,19.96 19.3,23.44 19.62,23.76 19.62,25.23 19.48,25.37 v1(19.48,26.24)
DQ4: length 11.6
  TOP w0.102: v1(18.67,25.32) 18.67,25.32 16.94,27.05 16.94,28.03 16.94,28.03 16.94,28.47 U23.J1 ; v1(18.03,21.29) 18.22,21.1 18.23,21.1 18.46,20.87 18.61,20.87 18.72,20.98 18.72,21.13 18.07,21.78 DU1.H3
  BOTTOM w0.102: v1(18.03,21.29) 17.81,21.51 17.81,24.44 17.99,24.63 17.99,24.88 18.43,25.32 v1(18.67,25.32)
DQ5: length 12
  TOP w0.102: v1(18.46,24.76) 18.31,24.9 18.31,25.25 16.64,26.93 16.64,27.96 16.54,28.06 16.54,28.97 U23.J2 ; v1(18.52,20.09) 18.52,20.04 18.52,20.04 18.52,19.24 DU1.H8
  BOTTOM w0.102: v1(18.52,20.09) 18.62,20.19 18.62,21.21 18.11,21.72 18.11,24.23 18.46,24.58 v1(18.46,24.76)
DQ6: length 11.4
  TOP w0.102: DU1.G2 18.85,23.6 18.47,23.22 18.47,21.97 v1(18.52,21.92) ; v1(17.77,25.29) 16.33,26.73 16.33,27.78 16.33,27.78 16.33,27.84 16.09,28.08 U23.H1
  BOTTOM w0.102: v1(17.77,25.29) 17.83,25.29 18.41,25.88 18.87,25.88 19.1,25.65 19.1,25.13 18.91,24.94 18.91,23.66 18.72,23.47 18.72,22.12 v1(18.52,21.92)
DQ7: length 11.3
  TOP w0.102: v1(18.24,20.57) 18.07,20.41 DU1.H7 ; v1(17.64,24.78) 17.08,25.33 17.08,25.51 16.03,26.57 16.03,27.65 16.02,27.65 16.02,27.66 15.74,27.94 15.74,28.97 U23.H2
  BOTTOM w0.102: v1(18.24,20.57) 17.48,21.34 17.48,22.43 17.25,22.66 17.25,23.19 17.5,23.44 17.5,24.64 v1(17.64,24.78)
DQ8: length 14.5
  TOP w0.102: U23.U3 23.42,30.12 25.27,28.27 v1(25.27,27.41) ; v1(26.11,23.29) 24.61,21.79 23.29,21.79 21.27,19.77 DU1.D7
  BOTTOM w0.102: v1(25.27,27.41) 25.27,27.38 26.06,26.59 26.06,23.34 v1(26.11,23.29)
DQ9: length 14.4
  TOP w0.102: v1(27.2,27.18) 27.08,27.05 25.13,27.05 24.92,27.26 24.92,27.94 24.64,28.22 23.59,28.22 U23.U1 ; DU1.C3 22.46,22.4 24.08,22.4 26.34,24.66 v1(27.08,24.66)
  BOTTOM w0.102: v1(27.08,24.66) 27.15,24.74 27.15,26.44 27.28,26.57 27.58,26.57 27.69,26.67 27.69,26.97 27.58,27.08 27.3,27.08 v1(27.2,27.18)
DQ10: length 14.6
  TOP w0.102: v1(23.67,28.93) 23.67,28.94 U23.U2 ; v1(24.33,19.15) 24.31,19.18 22.43,19.18 22.07,18.82 DU1.C8
  BOTTOM w0.102: v1(23.67,28.93) 23.67,28.52 23.98,28.22 24.23,28.22 24.92,27.53 24.92,27.13 25.76,26.29 25.76,23.14 26.01,22.89 26.01,20.83 v1(24.33,19.15)
DQ11: length 14.2
  TOP w0.102: v1(26.77,25.68) 24.42,25.68 24.32,25.58 24.32,25.53 24.22,25.43 24.01,25.43 23.91,25.53 23.91,25.58 23.81,25.68 23.61,25.68 23.51,25.58 23.51,25.53 23.4,25.43 23.2,25.43 23.1,25.53 23.1,25.58 23,25.68 22.61,25.68 21.67,24.74 21.67,23.98 22.05,23.6 DU1.C2 ; v1(22.89,28.93) 22.5,29.32 U23.T2
  BOTTOM w0.102: v1(26.77,25.68) 26.8,25.7 26.8,26.93 25.48,28.24 25.12,28.24 24.77,28.6 24.76,28.6 24.32,29.04 24.32,29.05 24.08,29.29 23.25,29.29 v1(22.89,28.93)
DQ12: length 14.5
  TOP w0.102: v1(23.29,19.97) 23.3,19.97 DU1.A7 ; U23.R2 v1(22.09,28.93)
  BOTTOM w0.102: v1(22.09,28.93) 22.56,28.45 23.06,28.45 23.75,27.76 23.75,27.56 25.45,25.86 25.45,23.02 25.7,22.76 25.7,20.95 24.71,19.97 24.28,19.97 24.18,20.07 24.18,20.4 24.08,20.5 23.87,20.5 23.77,20.4 23.77,20.07 23.67,19.97 v1(23.29,19.97)
DQ13: length 14.2
  TOP w0.102: DU1.A2 v1(24.07,24) ; U23.P1 v1(21.29,28.13)
  BOTTOM w0.102: v1(24.07,24) 23.65,23.57 23.65,23.07 23.42,22.84 23.42,20.68 23.32,20.57 23.01,20.57 22.91,20.68 22.91,24.14 23.12,24.35 23.33,24.35 23.7,24.72 23.7,25.17 21.8,27.07 21.8,27.61 v1(21.29,28.13)
DQ14: length 14.2
  TOP w0.102: DU1.B8 23.27,18.4 v1(23.27,18.39) ; U23.P2 v1(21.29,28.93)
  BOTTOM w0.102: v1(23.27,18.39) 22.91,18.03 22.56,18.03 22.28,18.31 22.28,19.23 22.61,19.56 22.61,21.06 22.61,24.27 22.91,24.57 22.91,25.53 21.49,26.95 21.49,27.37 20.93,27.94 20.93,28.57 v1(21.29,28.93)
DQ15: length 14.4
  TOP w0.102: U23.N1 22.53,26.09 v1(27.58,26.09) ; DU1.A3 24.04,22.8 26.34,25.1 27.56,25.1 v1(27.58,25.12)
  BOTTOM w0.102: v1(27.58,26.09) 27.56,26.06 27.56,25.15 v1(27.58,25.12)
DQM0: length 11.4
  TOP w0.102: DU1.E7 21.31,20.44 v1(21.31,20.47) ; v1(21.79,25.5) 21.79,26.17 19.69,28.28 19.69,28.91 U23.N2
  BOTTOM w0.102: v1(21.79,25.5) 21.79,25.45 21.87,25.37 21.87,21.84 21.82,21.79 21.82,21.39 21.31,20.88 v1(21.31,20.47)
DQM1: length 14.4
  TOP w0.102: DU1.D3 21.97,22.1 24.28,22.1 v1(26.44,24.26) ; U23.T3 22.94,29.67 23.44,29.67 24.28,28.83 v1(24.28,28.57)
  BOTTOM w0.102: v1(24.28,28.57) 24.33,28.52 24.36,28.52 24.94,27.94 25.35,27.94 26.39,26.9 26.39,24.31 v1(26.44,24.26)
DQS0: length 11.7
  TOP w0.094: DU1.F3 19.37,22.8 19.28,22.7 19.28,21.6 19.55,21.33 19.69,21.33 19.88,21.52 v1(19.88,21.59) ; U23.K2 17.34,28.97 17.34,28.2 17.34,28.2 17.34,27.55 18.22,26.67 18.22,26.36 19.31,25.27 19.61,25.27 v1(20.07,24.82)
  BOTTOM w0.094: v1(19.88,21.59) 20.04,21.75 20.04,23.18 20.1,23.24 20.1,24.78 v1(20.07,24.82)
DQS0N: length 11.9
  TOP w0.094: DU1.G3 18.96,22.7 18.96,21.47 19.42,21.01 19.81,21.01 v1(19.89,20.93) ; U23.K1 17.66,28.49 17.66,28.33 17.66,28.33 17.66,27.68 18.54,26.8 18.54,26.49 19.44,25.59 19.74,25.59 20.03,25.3 v1(20.4,25.3)
  BOTTOM w0.094: v1(19.89,20.93) 19.89,20.98 20.36,21.45 20.36,23.05 20.42,23.11 20.42,25.19 20.4,25.21 v1(20.4,25.3)
DQS1: length 14.4
  TOP w0.094: DU1.C7 22.31,19.84 22.31,20.18 22.92,20.79 23.78,20.79 24.71,19.86 24.84,19.86 25.03,20.05 25.03,20.21 24.75,20.49 24.75,20.95 v1(24.51,21.18) ; U23.R1 21.81,28.52 21.95,28.38 21.95,28.05 22.31,27.69 v1(22.31,27.42)
  BOTTOM w0.094: v1(22.31,27.42) 22.72,27.42 24.66,25.47 24.66,21.33 v1(24.51,21.18)
DQS1N: length 14.5
  TOP w0.094: v1(22.86,27.96) 22.49,27.96 22.27,28.18 22.27,28.38 22.41,28.52 U23.T1 ; DU1.B7 22.63,19.84 22.63,20.04 23.06,20.47 23.65,20.47 24.58,19.54 24.98,19.54 25.35,19.91 25.35,20.35 25.07,20.62 25.07,20.97 v1(25.28,21.18)
  BOTTOM w0.094: v1(22.86,27.96) 22.89,27.92 22.89,27.69 24.98,25.6 24.98,21.37 25.16,21.18 v1(25.28,21.18)
DRAS: length 14
  TOP w0.102: v1(15.67,21.62) 15.9,21.84 16.94,21.84 17.2,22.1 17.2,22.73 DU1.J3 ; U23.L4 v1(18.89,30.53)
  BOTTOM w0.102: v1(15.67,21.62) 15.87,21.81 15.87,21.98 15.3,22.55 15.3,22.55 15.12,22.72 15.12,23.63 15.13,23.63 15.13,25.9 15.39,26.16 15.67,26.16 18.46,28.95 18.46,30.1 v1(18.89,30.53)
DRST: length 10.6
  TOP w0.102: 14.93,29.73 v1(14.9,29.73) U23.G3 ; DU1.T2 v1(11.27,24)
  BOTTOM w0.102: v1(11.27,24) 11.08,24 10.36,24.71 10.36,27.36 10.86,27.85 11.13,28.12 13.49,28.12 13.51,28.14 14.9,29.53 v1(14.9,29.73)
DVREF: length 50.7
  TOP w0.102: v1(17.53,20.35) 17.53,21.36 17.65,21.48 17.65,23.98 DU1.H1
  TOP w0.127: DU1.M8 14.87,18.78 14.49,18.4 14.49,17.41
  TOP w0.254: 14.05,15.52 14.02,15.54 14.02,16.61 14.49,17.08 14.49,17.41 ; 14.05,15.52 DC8.2 ; 14.05,15.52 15.27,16.74 v1(17.91,16.74) 26.64,16.74 DC9.1 DR4.1 DR5.2 DC16.2 27.2,20.4 27.2,22 29.57,24.36 v1(29.57,26.42) ; DC2.2 25.57,29.72 25.22,30.07 v1(25.22,30.25) ; v1(19.7,30.53) 19.68,30.53 U23.M4
  PWR03 w0.254: v1(29.57,26.42) 29.57,28.42 27.74,30.25 v1(25.22,30.25) 21.72,30.25 21.02,30.95 20.12,30.95 v1(19.7,30.53) ; v1(17.91,16.74) 17.91,17.83 18.31,18.24 18.31,19.58 17.55,20.35 v1(17.53,20.35)
DWE: length 13.2
  TOP w0.102: v1(18.11,29.72) 18.07,29.76 18.06,29.76 U23.K3 ; v1(15.24,22.1) 15.29,22.15 16.36,22.15 16.4,22.19 16.4,22.33 15.94,22.8 DU1.L3
  BOTTOM w0.102: v1(15.24,22.1) 14.8,22.55 14.8,24.62 14.82,24.65 14.82,24.94 14.54,25.22 14.28,25.22 14.07,25.43 14.07,25.73 14.28,25.93 14.73,25.93 15.32,26.52 15.6,26.52 18.11,29.03 v1(18.11,29.72)
DZQ: length 10.5
  TOP w0.102: U23.R3 21.69,30.11 v1(22.09,29.71) ; v1(29.03,25.55) 28.35,25.55 DR1.2
  BOTTOM w0.102: v1(22.09,29.71) 24.09,29.71 24.1,29.69 24.25,29.69 24.72,29.22 24.72,29.21 24.93,29.01 25.17,28.77 25.26,28.68 26.75,28.68 28.3,27.13 28.3,26.29 v1(29.03,25.55)
N17523254: length 8.8
  TOP w0.102: v1(8.76,16.23) DR2.2 ; DU1.L8 v1(15.27,18.4)
  BOTTOM w0.127: v1(15.27,18.4) 13.89,17.02 11.13,17.02 10.85,17.3 9.83,17.3 v1(8.76,16.23)
N18069975: length 7.8
  TOP w0.102: DU1.L9 v1(15.67,17.24) ; v1(9.68,16.1) DR3.2
  BOTTOM w0.127: v1(9.68,16.1) 10.03,16.46 14.88,16.46 v1(15.67,17.24)
N18151313: length 4.9
  TOP w0.102: DR7.1 15.06,15.47 15.65,14.88 17.75,14.88 DR6.1 DC17.2

## Copper pours and planes (outline as drawn; the poured copper is in the pictures)
GND on GND02: 38.43,50.88 38.43,10.36 0.3,10.36 0.3,50.88
VCC-DRAM on PWR03: 6.05,11.2 26.52,11.2 31.37,16.05 31.37,24.59 26.92,29.04 25.44,29.04 24.43,30.05 19.84,30.05 19.43,30.45 19.43,32.77 19.05,33.15 15.8,33.15 15.62,32.97 15.62,31.32 15.47,31.17 13.28,31.17 12.88,30.76 12.88,30 12.45,29.57 9.02,29.57 3.99,24.54 3.99,13.26

## Text on the board
Ref Des/Silkscreen Top: R16_REF_DDR3_16X1_V1_0 | 20150206
BODY_CENTER: FIGURE | SIZE | 8.0 | 10.0 | 27.5591 | 29.5315 | 37.9882 | 40.0 | 55.1181 | 98.4291 | 118.1102 | 125.9803 | 35.4291 | 43.2992 | 62.9882 | 33.4646x25.5906 | 59.0551x32.6772 | 120.0x50.0 | DRILL CHART: TOP to BOTTOM | ALL UNITS ARE IN MILS | PLATED | NON-PLATED | QTY | 404 | 1727 | 14 | 88 | 2 | 58 | 25 | 10 | 12 | 1 | 4 | 5
